# Altium PCB KlusterLab r2.0.PcbDoc (part 3 of 22)
Units mm, origin at the board's own origin, x right, y up, seen from the top; angles counter-clockwise.
Board outline 232 x 250 mm, 12 copper layers (L1 Top, L2 Inner1 (GND), L3 Inner2 (Sig), L4 Inner3 (GND), L5 Inner4 (PWR), L6 Inner5 (PWR), L7 Inner6 (PWR), L8 Inner7 (PWR), L9 Inner8 (GND), L10 Inner9 (Sig), L11 Inner10 (GND), L12 Bottom), stack 1.614 mm thick; 1169 components, 852 nets, 4679 pads, 5115 vias.
Unrouted connection lines stored in the file: 1.
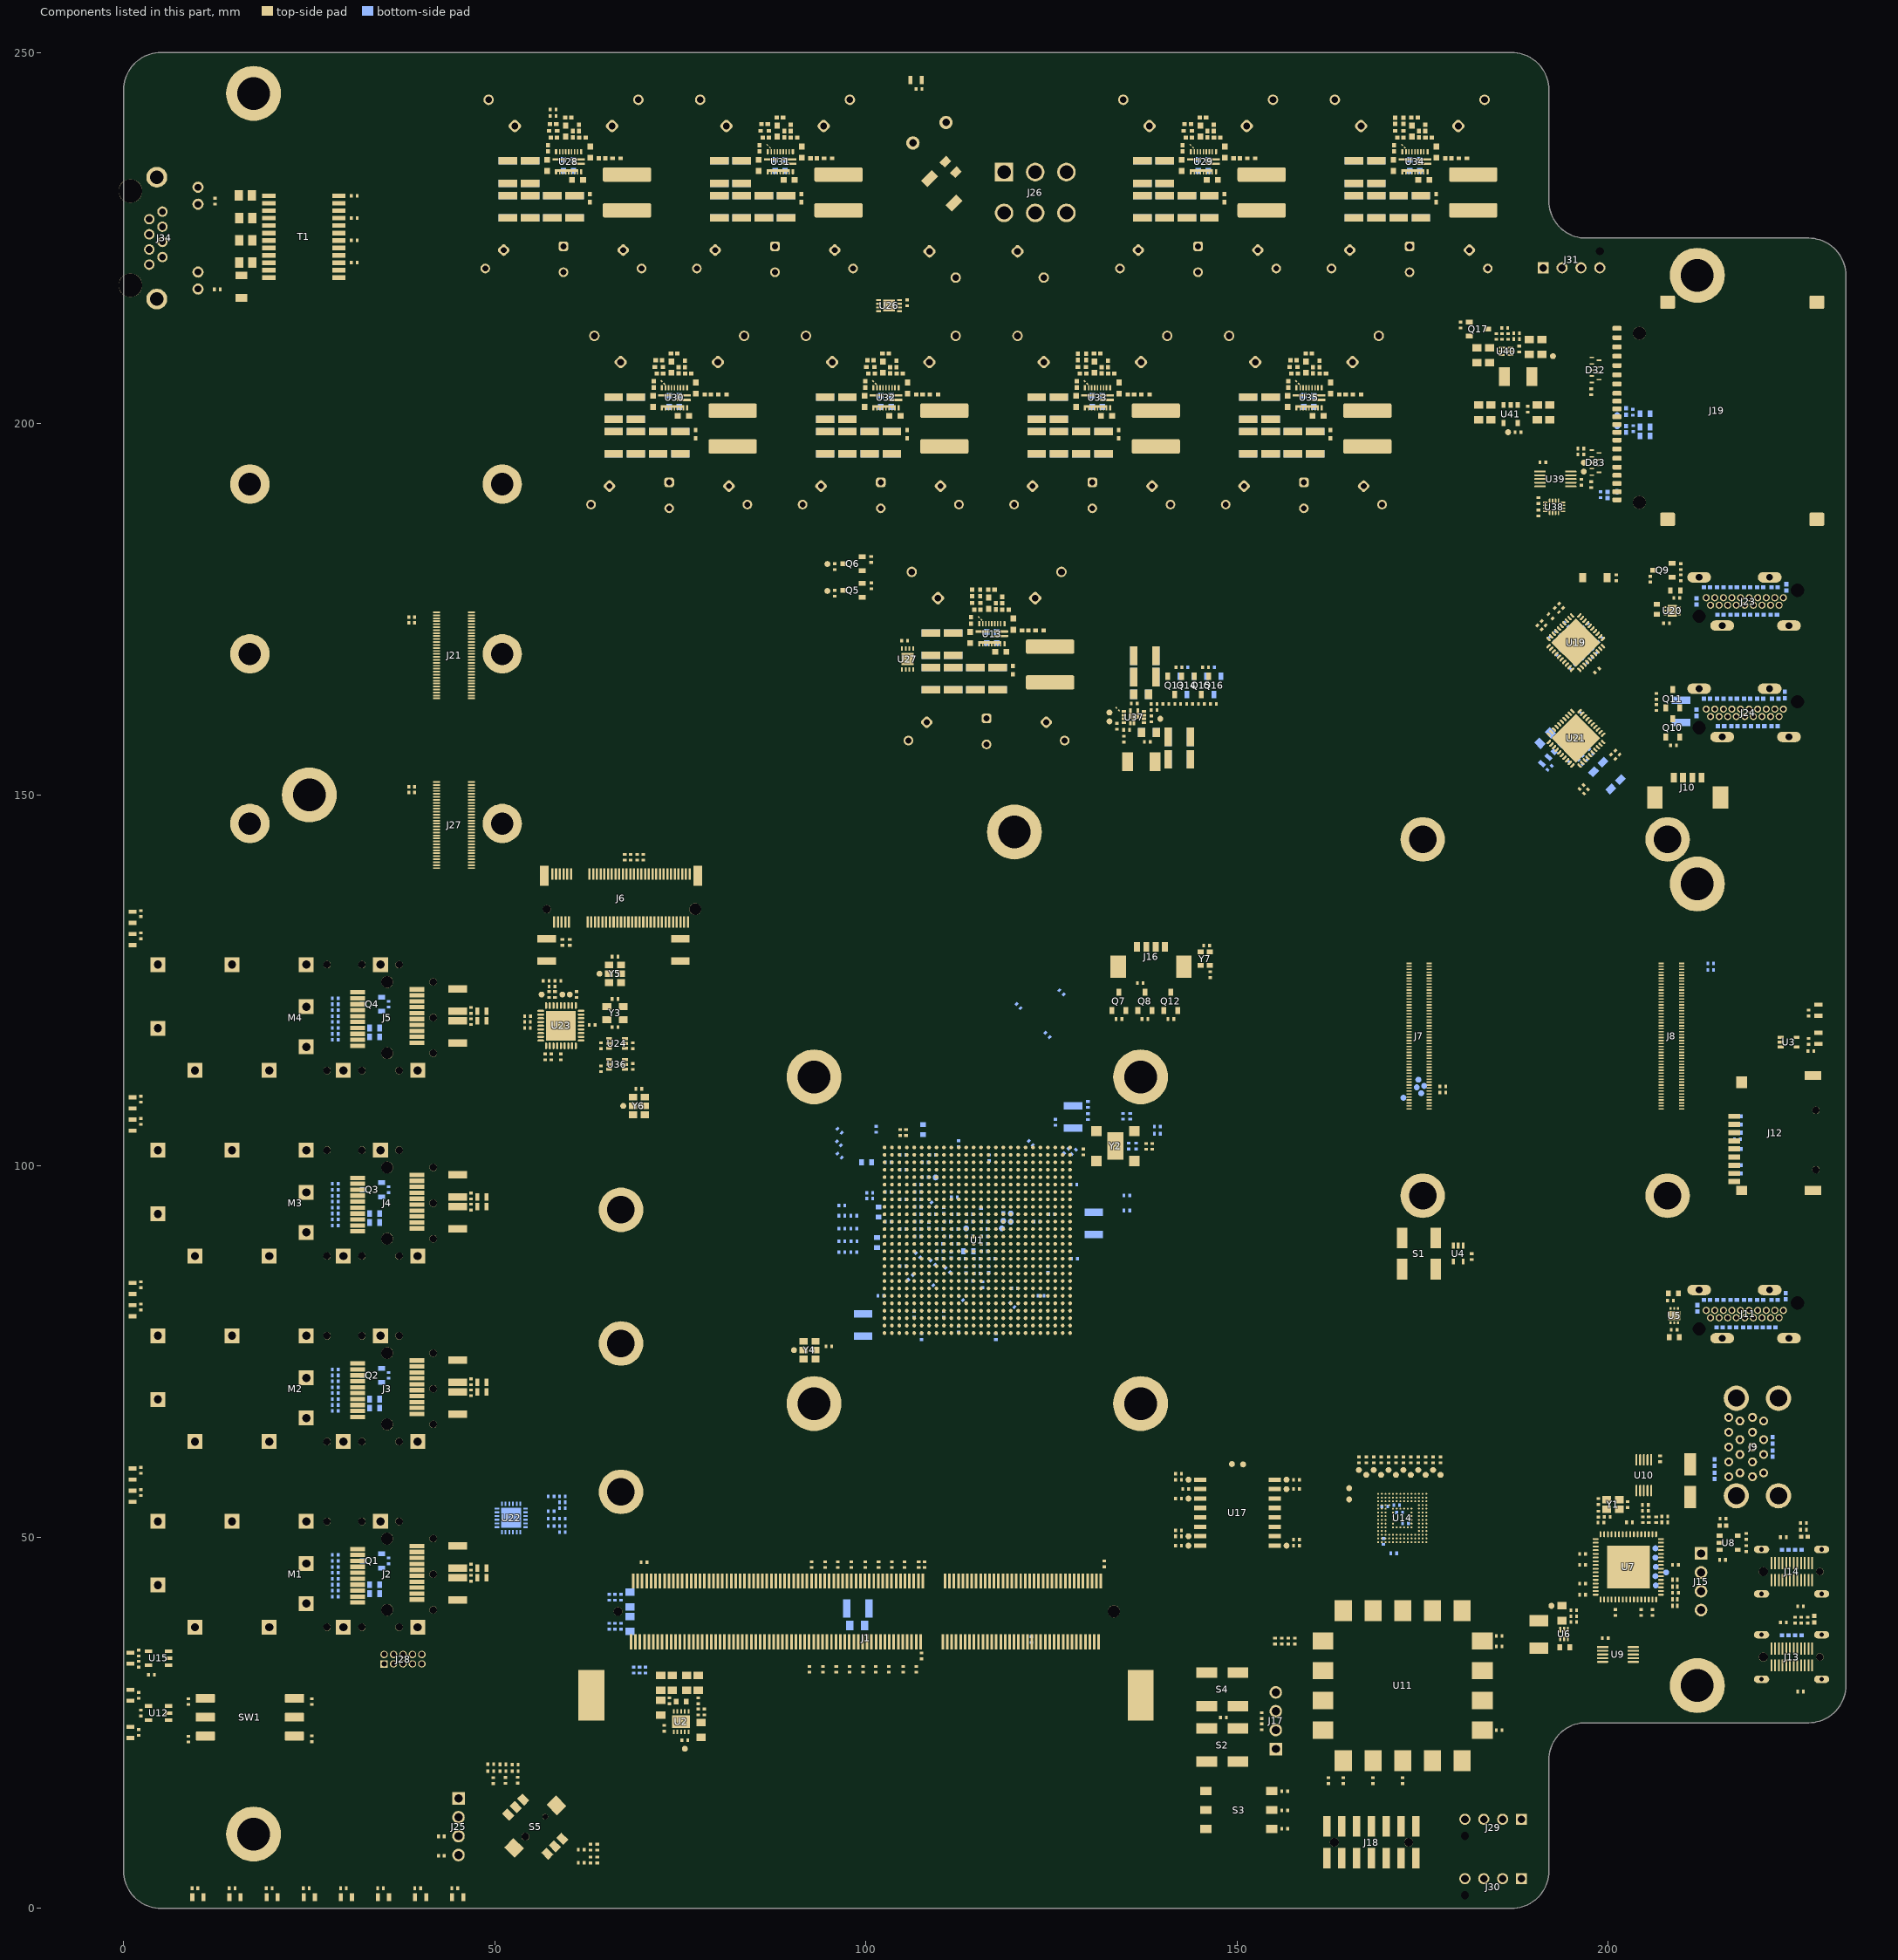
[diagram p13: the components of this part, seen from the top]

## Components (designator, comment, footprint, x,y, rotation, side; value= is the part's Value field where it differs from the comment) (continued)
TP47 "Testpoint" "Testpoint 0.8mm" 166.4,59.05 r90 top
TP48 "Testpoint" "Testpoint 0.8mm" 167.4,58.4 r90 top
TP49 "Testpoint" "Testpoint 0.8mm" 169.4,58.4 r90 top
TP50 "Testpoint" "Testpoint 0.8mm" 168.4,59.05 r90 top
TP51 "Testpoint" "Testpoint 0.8mm" 165.089,55.086 r90 top
TP52 "Testpoint" "Testpoint 0.8mm" 165.089,56.6 r90 top
TP53 "Testpoint" "Testpoint 0.8mm" 156.65,56.475 r90 top
TP54 "Testpoint" "Testpoint 0.8mm" 143.447,48.853 r90 top
TP55 "Testpoint" "Testpoint 0.8mm" 156.653,48.858 r90 top
TP56 "Testpoint" "Testpoint 0.8mm" 143.447,57.742 r90 top
TP57 "Testpoint" "Testpoint 0.8mm" 156.653,57.748 r90 top
TP58 "Testpoint" "Testpoint 0.8mm" 143.447,50.123 r90 top
TP59 "Testpoint" "Testpoint 0.8mm" 143.447,55.203 r90 top
TP60 "Testpoint" "Testpoint 0.8mm" 149.3,59.85 r90 top
TP61 "Testpoint" "Testpoint 0.8mm" 150.8,59.8 r90 top
U1 "XC7K160T-3FFG676E" BGA100P2700X2700X317-676N 115,90 r0 top locked
U2 "TPS51200DRCT" QFN50P300X300X100-11N 75.1,25.15 r270 top
U3 "NL17SZ07DFT2G" SOT65P210X110-5N 224.3,116.7 r0 top
U4 "NL17SZ07DFT2G" SOT65P210X110-5N 179.8,88.2 r270 top
U5 "AP21510FM-7" QFN50P201X181X60_HS-7N 208.897,79.854 r90 top
U6 "TLV62568ADRL" SON50P150X80-6N 194.05,36.95 r270 top
U7 "TUSB8044AI" QFN50P900X900X90_HS-65N 202.7,46 r0 top
U8 "AP22816AKCWT-7" SOT95P285X140-5N 216.225,49.25 r0 top
U9 "FSUSB42MUX" SOP50P300X300X110-10N 201.3,34.2 r0 top
U10 "FSUSB42MUX" SOP50P300X300X110-10N 204.786,58.35 r270 top
U11 "JTAG-SMT3-NC" JTAG-SMT3-NC 172.3,30 r270 top
U12 "74LV1T34GV-Q100H" SOT95P275X110-5N 4.7,26.3 r180 top
U13 "TPS54JB20RWWR" VQFN-HR21_RWW0021A 116.95,171.7 r270 top
U14 "S40FC004C1B2C00000" BGA50P900X750X080-153N 172.245,52.579 r0 top
U15 "74LV1T34GV-Q100H" SOT95P275X110-5N 4.7,33.7 r180 top
U17 "MT25QU256ABA8ESF-0SIT" SOIC16_Widebody 150.05,53.3 r0 top locked
U19 "TMDS141RHAR" QFN50P600X600X100-41N 195.617,170.513 r135 top
U20 "AP21510FM-7" QFN50P201X181X60_HS-7N 208.637,174.814 r0 top
U21 "AD8195ACPZ" QFN50P600X600X100-41N 195.651,157.613 r225 top
U22 "TCA9548ARGERQ1" QFN50P400X400X100-25N 52.2,52.6 r90 bottom
U23 "SI5324C-C-GM" QFN50P600X600X85-37N 58.9,118.9 r180 top
U24 "SN74AVC1T45DCKR" SOT65P210X100-6N 66.45,116.5 r180 top
U26 "PCT2075TP,147" "SOT1069-2 (HWSON8)" 103.1,215.9 r0 top
U27 "PCT2075TP,147" "SOT1069-2 (HWSON8)" 105.6,168.3 r90 top
U28 "TPS54JB20RWWR" VQFN-HR21_RWW0021A 59.95,235.3 r270 top
U29 "TPS54JB20RWWR" VQFN-HR21_RWW0021A 145.45,235.3 r270 top
U30 "TPS54JB20RWWR" VQFN-HR21_RWW0021A 74.2,203.5 r270 top
U31 "TPS54JB20RWWR" VQFN-HR21_RWW0021A 88.45,235.3 r270 top
U32 "TPS54JB20RWWR" VQFN-HR21_RWW0021A 102.7,203.5 r270 top
U33 "TPS54JB20RWWR" VQFN-HR21_RWW0021A 131.2,203.5 r270 top
U34 "TPS54JB20RWWR" VQFN-HR21_RWW0021A 173.95,235.3 r270 top
U35 "TPS54JB20RWWR" VQFN-HR21_RWW0021A 159.7,203.5 r270 top
U36 "SN74AVC1T45DCKR" SOT65P210X100-6N 66.45,113.7 r180 top
U37 "AP62600SJ-7" QFN50P200x300x85-12 136.1,160.5 r270 top
U38 "NVT4858HKZ" QFN40P180X260X55-16N 192.7,188.8 r90 top
U39 "FSUSB42MUX" SOP50P300X300X110-10N 192.883,192.55 r0 top
U40 "TLV62568ADRL" SON50P150X80-6N 186.25,209.75 r0 top
U41 "AP22816AKCWT-7" SOT95P285X140-5N 186.85,201.3 r270 top
Y1 "ECS-240-10-36B2-CTN-TR" ECX-2236B 200.65,54.4 r0 top
Y2 "ASVMB-66.000MHZ-XY-T" "ASVMB Series" 133.6,102.7 r180 top
Y3 "CS-023-114.285M" "S3D - Shenzhen SCTF Elec" 66.2,120.6 r180 top
Y4 "AX3DCF1-200.0000" "Abracon AX3" 92.4,75.2 r270 top
Y5 "511JBA150M000CAG" "Abracon AX3" 66.2,125.9 r270 top
Y6 "AX3DCF1-156.2500" "Abracon AX3" 69.4,108.1 r270 top
Y7 "ECS-TXO-20CSMV4-520-AN-TR" ECS-TXO-20CSMV4_2X1.6X0.8 145.725,127.925 r270 top

## Footprints (in the part's own frame and the unit in brackets; to place one, negate y for a bottom-side part, rotate by r counter-clockwise, add the part's x,y. Pads: shape width x height; smd on the part's side, far side on the other; paste and mask are expansions set on the pad)
0ZRB0400FF [mm] "PTC Fuse 0ZRB0400FF"
  round 1.8 hole 1: 1(-2.55,0.6) 2(2.55,-0.6)
  silkscreen extent -7,-0.75 7,0.75, body extent -7,-1.49 7,1.49, height 20.1
2-2013310-1 [mm] "DDR3 SO DIMM Sockets, Small Outline (SO), Stack Height .362 in [9.2 mm]"
  rect 0.35x2 smd: 1(31.65,4.1) 2(31.35,-4.1) 3(31.05,4.1) 4(30.75,-4.1) 5(30.45,4.1) 6(30.15,-4.1) 7(29.85,4.1) 8(29.55,-4.1) 9(29.25,4.1) 10(28.95,-4.1) 11(28.65,4.1) 12(28.35,-4.1) 13(28.05,4.1) 14(27.75,-4.1) 15(27.45,4.1) 16(27.15,-4.1) 17(26.85,4.1) 18(26.55,-4.1) 19(26.25,4.1) 20(25.95,-4.1) 21(25.65,4.1) 22(25.35,-4.1) 23(25.05,4.1) 24(24.75,-4.1) 25(24.45,4.1) 26(24.15,-4.1) 27(23.85,4.1) 28(23.55,-4.1) 29(23.25,4.1) 30(22.95,-4.1) 31(22.65,4.1) 32(22.35,-4.1) 33(22.05,4.1) 34(21.75,-4.1) 35(21.45,4.1) 36(21.15,-4.1) 37(20.85,4.1) 38(20.55,-4.1) 39(20.25,4.1) 40(19.95,-4.1) 41(19.65,4.1) 42(19.35,-4.1) 43(19.05,4.1) 44(18.75,-4.1) 45(18.45,4.1) 46(18.15,-4.1) 47(17.85,4.1) 48(17.55,-4.1) 49(17.25,4.1) 50(16.95,-4.1) 51(16.65,4.1) 52(16.35,-4.1) 53(16.05,4.1) 54(15.75,-4.1) 55(15.45,4.1) 56(15.15,-4.1) 57(14.85,4.1) 58(14.55,-4.1) 59(14.25,4.1) 60(13.95,-4.1) 61(13.65,4.1) 62(13.35,-4.1) 63(13.05,4.1) 64(12.75,-4.1) 65(12.45,4.1) 66(12.15,-4.1) 67(11.85,4.1) 68(11.55,-4.1) 69(11.25,4.1) 70(10.95,-4.1) 71(10.65,4.1) 72(10.35,-4.1) 73(7.65,4.1) 74(7.35,-4.1) 75(7.05,4.1) 76(6.75,-4.1) 77(6.45,4.1) 78(6.15,-4.1) 79(5.85,4.1) 80(5.55,-4.1) 81(5.25,4.1) 82(4.95,-4.1) 83(4.65,4.1) 84(4.35,-4.1) 85(4.05,4.1) 86(3.75,-4.1) 87(3.45,4.1) 88(3.15,-4.1) 89(2.85,4.1) 90(2.55,-4.1) 91(2.25,4.1) 92(1.95,-4.1) 93(1.65,4.1) 94(1.35,-4.1) 95(1.05,4.1) 96(0.75,-4.1) 97(0.45,4.1) 98(0.15,-4.1) 99(-0.15,4.1) 100(-0.45,-4.1) 101(-0.75,4.1) 102(-1.05,-4.1) 103(-1.35,4.1) 104(-1.65,-4.1) 105(-1.95,4.1) 106(-2.25,-4.1) 107(-2.55,4.1) 108(-2.85,-4.1) 109(-3.15,4.1) 110(-3.45,-4.1) 111(-3.75,4.1) 112(-4.05,-4.1) 113(-4.35,4.1) 114(-4.65,-4.1) 115(-4.95,4.1) 116(-5.25,-4.1) 117(-5.55,4.1) 118(-5.85,-4.1) 119(-6.15,4.1) 120(-6.45,-4.1) 121(-6.75,4.1) 122(-7.05,-4.1) 123(-7.35,4.1) 124(-7.65,-4.1) 125(-7.95,4.1) 126(-8.25,-4.1) 127(-8.55,4.1) 128(-8.85,-4.1) 129(-9.15,4.1) 130(-9.45,-4.1) 131(-9.75,4.1) 132(-10.05,-4.1) 133(-10.35,4.1) 134(-10.65,-4.1) 135(-10.95,4.1) 136(-11.25,-4.1) 137(-11.55,4.1) 138(-11.85,-4.1) 139(-12.15,4.1) 140(-12.45,-4.1) 141(-12.75,4.1) 142(-13.05,-4.1) 143(-13.35,4.1) 144(-13.65,-4.1) 145(-13.95,4.1) 146(-14.25,-4.1) 147(-14.55,4.1) 148(-14.85,-4.1) 149(-15.15,4.1) 150(-15.45,-4.1) 151(-15.75,4.1) 152(-16.05,-4.1) 153(-16.35,4.1) 154(-16.65,-4.1) 155(-16.95,4.1) 156(-17.25,-4.1) 157(-17.55,4.1) 158(-17.85,-4.1) 159(-18.15,4.1) 160(-18.45,-4.1) 161(-18.75,4.1) 162(-19.05,-4.1) 163(-19.35,4.1) 164(-19.65,-4.1) 165(-19.95,4.1) 166(-20.25,-4.1) 167(-20.55,4.1) 168(-20.85,-4.1) 169(-21.15,4.1) 170(-21.45,-4.1) 171(-21.75,4.1) 172(-22.05,-4.1) 173(-22.35,4.1) 174(-22.65,-4.1) 175(-22.95,4.1) 176(-23.25,-4.1) 177(-23.55,4.1) 178(-23.85,-4.1) 179(-24.15,4.1) 180(-24.45,-4.1) 181(-24.75,4.1) 182(-25.05,-4.1) 183(-25.35,4.1) 184(-25.65,-4.1) 185(-25.95,4.1) 186(-26.25,-4.1) 187(-26.55,4.1) 188(-26.85,-4.1) 189(-27.15,4.1) 190(-27.45,-4.1) 191(-27.75,4.1) 192(-28.05,-4.1) 193(-28.35,4.1) 194(-28.65,-4.1) 195(-28.95,4.1) 196(-29.25,-4.1) 197(-29.55,4.1) 198(-29.85,-4.1) 199(-30.15,4.1) 200(-30.45,-4.1) 201(-30.75,4.1) 202(-31.05,-4.1) 203(-31.35,4.1) 204(-31.65,-4.1)
  rect 3.5x6.8 smd: MT1(37,-11.3) MT2(-37,-11.3)
  round 1.15 hole 1.15 unplated: ""(-33.4,0)
  round 1.65 hole 1.65 unplated: ""(33.4,0)
  silkscreen extent -36.4,-21.55 36.4,5, body extent -38,-21.56 38,5, height 9.5
74441-0010 [mm] "20 Pin Right Angle 0.8mm SMD Card Edge Connector for SFP+"
  rect 0.6x2 smd: 1(-3.4,-4) 2(-2.6,-4) 3(-1.8,-4) 4(-1,-4) 5(-0.2,-4) 6(0.6,-4) 7(1.4,-4) 8(2.2,-4) 9(3,-4) 10(3.8,-4) 11(3.4,4) 12(2.6,4) 13(1.8,4) 14(1,4) 15(0.2,4) 16(-0.6,4) 17(-1.4,4) 18(-2.2,4) 19(-3,4) 20(-3.8,4)
  round 1.6 hole 1.6 unplated: MT(-4.8,0) MT(4.8,0)
  silkscreen extent -5.5,-4 5.5,4.3, body extent -5.5,-4.57 5.5,4.57, height 5.37
87832-1420 [mm] "Molex 2.00 mm SMT Dual BoxHeader - 14 Pin"
  rect 1x2.75 smd: 1(-6,-2.125) 2(-6,2.125) 3(-4,-2.125) 4(-4,2.125) 5(-2,-2.125) 6(-2,2.125) 7(0,-2.125) 8(0,2.125) 9(2,-2.125) 10(2,2.125) 11(4,-2.125) 12(4,2.125) 13(6,-2.125) 14(6,2.125)
  round 1.2 hole 1.2 unplated: MT(-5,0) MT(5,0)
  silkscreen extent -8.3,-3.2 8.3,3.2, body extent -8.32,-3.15 8.32,3.15, height 7.6
2007198-1 [mm] "2SFP+ Cage, 1x1, external EMV springs, no lightpipes"
  rect 2x2 hole 1.1: MT(-7.13,-30.9) MT(-7.13,-0.9) MT(-7.13,-10.9) MT(-7.13,-20.9) MT(-1.45,-10.9) MT(1.45,-30.9) MT(3.95,-10.9) MT(7.13,4.1) MT(7.13,-5.9) MT(7.13,-15.9) MT(7.13,-25.9)
  round 1 hole 1 unplated: ""(-7.13,1.6) ""(-7.13,-8.1) ""(-7.13,-3.4) ""(-4.8,6.2) ""(0,6.2) ""(4.8,6.2) ""(7.13,-3.4) ""(7.13,1.6) ""(7.13,-8.1)
  silkscreen extent -8.2,-42.5 8.2,6.4, body extent -8.15,-42.44 8.15,6.36, height 10.6
9774020360R [mm] "Würth SMT Spacer M3 h:2mm"
  round 7.4 hole 4.4: 1(0,0)
  body extent -3,-3 3,3, height 2
9774030151R [mm] "Würth SMT Spacer 3mm M2.5"
  round 6 hole 3.7: 1(0,0)
  body extent -2.55,-2.55 2.55,2.55, height 3
9774050243R [mm] "Würth SMT Spacer 5mm M2"
  round 5.3 hole 3: 1(0,0)
  body extent -2.16,-2.17 2.16,2.17, height 5
9774065151R [mm] "Würth SMT Spacer 6.5mm M2.5"
  round 6 hole 3.7: 1(0,0)
  body extent -2.55,-2.55 2.55,2.55, height 6.5
9774070360R [mm] "Würth SMT Spacer 7mm M3"
  round 7.4 hole 4.4: 1(0,0)
  body extent -3,-3 3,3, height 7
61300411121 [mm] "WR-PHD 2.54mm 4Pin THT Header"
  rect 1.7x1.7 hole 1.1: 1(-3.81,0)
  round 1.7 hole 1.1: 2(-1.27,0) 3(1.27,0) 4(3.81,0)
  silkscreen extent -5.04,-1.25 5.04,1.25, body extent -5.08,-1.27 5.08,1.27, height 8.54
62701021621 [mm] "Pin header 1.27mm 10pol Straight"
  rect 1x1 hole 0.7: 1(2.54,0.635)
  round 1 hole 0.7: 2(2.54,-0.635) 3(1.27,0.635) 4(1.27,-0.635) 5(0,0.635) 6(0,-0.635) 7(-1.27,0.635) 8(-1.27,-0.635) 9(-2.54,0.635) 10(-2.54,-0.635)
  silkscreen extent -6.35,-2.54 6.35,2.54, body extent -6.35,-2.5 6.35,2.55, height 4.9
"Abracon AX3" [mm] "Clock Oscillator 3.2x2.5x1mm LVDS"
  rect 0.9x1.1 smd: 1(-1.2,-0.8) 2(0,-0.8) 3(1.2,-0.8) 4(1.2,0.8) 5(0,0.8) 6(-1.2,0.8)
  body extent -1.6,-1.25 1.6,1.25, height 0.6
AlpsAlpine_SKRHACE010 [mm] "Multi-Directional Switches, 4-directions, center-push"
  rrect10% 1.35x1 smd: 1(-3.725,1.425) 2(-3.725,0) 3(-3.725,-1.425) 4(3.725,1.425) 5(3.725,0) 6(3.725,-1.425)
  rrect5% 2x1.8 smd: MP1(0,4.05) MP2(0,-4.05)
  round 0.75 hole 0.75 unplated mask+0.05: ""(0,1.9)
  round 1.05 hole 1.05 unplated mask+0.05: ""(0,-1.9)
  silkscreen extent -3.75,-3.75 3.75,3.75, body extent -3.74,-3.75 3.74,3.75, height 5
Amphenol_GSD2100107BHR [mm] "SD-Card connector with PCIe x1 Lanes"
  rrect50% 0.65x1.25 smd: 1(11.1,16.865) 2(9.85,16.865) 3(8.6,16.865) 4(7.35,16.865) 5(6.1,16.865) 6(4.85,16.865) 7(3.6,16.865) 8(2.35,16.865) 9(1.3,16.865) 10(0.25,16.865) 11(-0.8,16.865) 12(-1.85,16.865) 13(-2.9,16.865) 14(-3.95,16.865) 15(-5.15,16.865) 16(-6.4,16.865) 17(-7.6,16.865) 18(-8.7,16.865) 19(-9.8,16.865) 20(-10.9,16.865) 21(-12,16.865)
  round 1.75 hole 1.75 unplated: H1(-12.35,13.85) H2(10.45,13.85)
  rrect20% 1.8x2 smd: MT1(-14.625,10.05) MT2(-14.625,-10.05) MT3(14.625,-10.05) MT4(14.625,10.05)
  L1 Top keep-out region: -11.8,1.75 10.2,1.75 10.2,9.95 -11.8,9.95
  silkscreen extent -15.2,-14 15.2,17.1, body extent -15.17,-13.95 15.17,17.05, height 3
APCI0161-P001A [mm] "M.2 NGFF B-Key Card Edge Connector"
  rect 0.3x1.55 smd: 1(-9.25,3.225) 2(-9,-3.225) 3(-8.75,3.225) 4(-8.5,-3.225) 5(-8.25,3.225) 6(-8,-3.225) 7(-7.75,3.225) 8(-7.5,-3.225) 9(-7.25,3.225) 10(-7,-3.225) 11(-6.75,3.225) 20(-4.5,-3.225) 21(-4.25,3.225) 22(-4,-3.225) 23(-3.75,3.225) 24(-3.5,-3.225) 25(-3.25,3.225) 26(-3,-3.225) 27(-2.75,3.225) 28(-2.5,-3.225) 29(-2.25,3.225) 30(-2,-3.225) 31(-1.75,3.225) 32(-1.5,-3.225) 33(-1.25,3.225) 34(-1,-3.225) 35(-0.75,3.225) 36(-0.5,-3.225) 37(-0.25,3.225) 38(0,-3.225) 39(0.25,3.225) 40(0.5,-3.225) 41(0.75,3.225) 42(1,-3.225) 43(1.25,3.225) 44(1.5,-3.225) 45(1.75,3.225) 46(2,-3.225) 47(2.25,3.225) 48(2.5,-3.225) 49(2.75,3.225) 50(3,-3.225) 51(3.25,3.225) 52(3.5,-3.225) 53(3.75,3.225) 54(4,-3.225) 55(4.25,3.225) 56(4.5,-3.225) 57(4.75,3.225) 58(5,-3.225) 59(5.25,3.225) 60(5.5,-3.225) 61(5.75,3.225) 62(6,-3.225) 63(6.25,3.225) 64(6.5,-3.225) 65(6.75,3.225) 66(7,-3.225) 67(7.25,3.225) 68(7.5,-3.225) 69(7.75,3.225) 70(8,-3.225) 71(8.25,3.225) 72(8.5,-3.225) 73(8.75,3.225) 74(9,-3.225) 75(9.25,3.225)
  rect 1.2x2.75 smd: MT(-10.35,3) MT(10.35,3)
  round 1.1 hole 1.1 unplated: MT(-10,-1.5)
  round 1.6 hole 1.6 unplated: MT(10,-1.5)
  silkscreen extent -10.95,-4 10.95,3.75, body extent -10.92,-3.35 10.93,3.75, height 8.52
"ASVMB Series" [mm] "Abracon ASVMB Series"
  rect 1.4x1.4 smd: 1(-2.54,-2) 2(2.54,-2) 3(2.54,2) 4(-2.54,2)
  rect 2.2x3.7 smd: 5(0,0)
  silkscreen extent -3.5,-2.5 3.5,2.5, body extent -3.5,-2.5 3.5,2.5, height 0.85
ATS-61500W-C2-R0 [mm] "Heatsink, lifted 3,37mm, ATS-61500W-C2-R0"
  silkscreen extent -26.3,-26.3 26.3,26.3, body extent -26.32,-26.32 26.32,26.32, height 40.17
BGA50P900X750X080-153N [mm] "BGA, 153-Ball, Body 9x7.5*0.8mm, Pitch 0,50mm"
  round 0.25 smd mask+0.05: A1(-3.25,3.25) A2(-2.75,3.25) A3(-2.25,3.25) A4(-1.75,3.25) A5(-1.25,3.25) A6(-0.75,3.25) A7(-0.25,3.25) A8(0.25,3.25) A9(0.75,3.25) A10(1.25,3.25) A11(1.75,3.25) A12(2.25,3.25) A13(2.75,3.25) A14(3.25,3.25) B1(-3.25,2.75) B2(-2.75,2.75) B3(-2.25,2.75) B4(-1.75,2.75) B5(-1.25,2.75) B6(-0.75,2.75) B7(-0.25,2.75) B8(0.25,2.75) B9(0.75,2.75) B10(1.25,2.75) B11(1.75,2.75) B12(2.25,2.75) B13(2.75,2.75) B14(3.25,2.75) C1(-3.25,2.25) C2(-2.75,2.25) C3(-2.25,2.25) C4(-1.75,2.25) C5(-1.25,2.25) C6(-0.75,2.25) C7(-0.25,2.25) C8(0.25,2.25) C9(0.75,2.25) C10(1.25,2.25) C11(1.75,2.25) C12(2.25,2.25) C13(2.75,2.25) C14(3.25,2.25) D1(-3.25,1.75) D2(-2.75,1.75) D3(-2.25,1.75) D4(-1.75,1.75) D12(2.25,1.75) D13(2.75,1.75) D14(3.25,1.75) E1(-3.25,1.25) E2(-2.75,1.25) E3(-2.25,1.25) E5(-1.25,1.25) E6(-0.75,1.25) E7(-0.25,1.25) E8(0.25,1.25) E9(0.75,1.25) E10(1.25,1.25) E12(2.25,1.25) E13(2.75,1.25) E14(3.25,1.25) F1(-3.25,0.75) F2(-2.75,0.75) F3(-2.25,0.75) F5(-1.25,0.75) F10(1.25,0.75) F12(2.25,0.75) F13(2.75,0.75) F14(3.25,0.75) G1(-3.25,0.25) G2(-2.75,0.25) G3(-2.25,0.25) G5(-1.25,0.25) G10(1.25,0.25) G12(2.25,0.25) G13(2.75,0.25) G14(3.25,0.25) H1(-3.25,-0.25) H2(-2.75,-0.25) H3(-2.25,-0.25) H5(-1.25,-0.25) H10(1.25,-0.25) H12(2.25,-0.25) H13(2.75,-0.25) H14(3.25,-0.25) J1(-3.25,-0.75) J2(-2.75,-0.75) J3(-2.25,-0.75) J5(-1.25,-0.75) J10(1.25,-0.75) J12(2.25,-0.75) J13(2.75,-0.75) J14(3.25,-0.75) K1(-3.25,-1.25) K2(-2.75,-1.25) K3(-2.25,-1.25) K5(-1.25,-1.25) K6(-0.75,-1.25) K7(-0.25,-1.25) K8(0.25,-1.25) K9(0.75,-1.25) K10(1.25,-1.25) K12(2.25,-1.25) K13(2.75,-1.25) K14(3.25,-1.25) L1(-3.25,-1.75) L2(-2.75,-1.75) L3(-2.25,-1.75) L12(2.25,-1.75) L13(2.75,-1.75) L14(3.25,-1.75) M1(-3.25,-2.25) M2(-2.75,-2.25) M3(-2.25,-2.25) M4(-1.75,-2.25) M5(-1.25,-2.25) M6(-0.75,-2.25) M7(-0.25,-2.25) M8(0.25,-2.25) M9(0.75,-2.25) M10(1.25,-2.25) M11(1.75,-2.25) M12(2.25,-2.25) M13(2.75,-2.25) M14(3.25,-2.25) N1(-3.25,-2.75) N2(-2.75,-2.75) N3(-2.25,-2.75) N4(-1.75,-2.75) N5(-1.25,-2.75) N6(-0.75,-2.75) N7(-0.25,-2.75) N8(0.25,-2.75) N9(0.75,-2.75) N10(1.25,-2.75) N11(1.75,-2.75) N12(2.25,-2.75) N13(2.75,-2.75) N14(3.25,-2.75) P1(-3.25,-3.25) P2(-2.75,-3.25) P3(-2.25,-3.25) P4(-1.75,-3.25) P5(-1.25,-3.25) P6(-0.75,-3.25) P7(-0.25,-3.25) P8(0.25,-3.25) P9(0.75,-3.25) P10(1.25,-3.25) P11(1.75,-3.25) P12(2.25,-3.25) P13(2.75,-3.25) P14(3.25,-3.25)
  silkscreen extent -4.5,-3.75 4.5,3.75, body extent -4.5,-3.75 4.5,3.75, height 0.81
BGA100P2700X2700X317-676N [mm] "BGA, 676-Ball, Body 27x27*3.17mm, Pitch 1,00mm"